# Altium PCB PCM2912_CODEC_PANEL.PcbDoc (part 2 of 3)
Units mil, origin at the board's own origin, x right, y up, seen from the top; angles counter-clockwise.
Board outline 3937.01 x 3937.01 mil, 2 copper layers (Top Layer, Bottom Layer); 208 components, 0 nets, 668 pads, 268 vias.
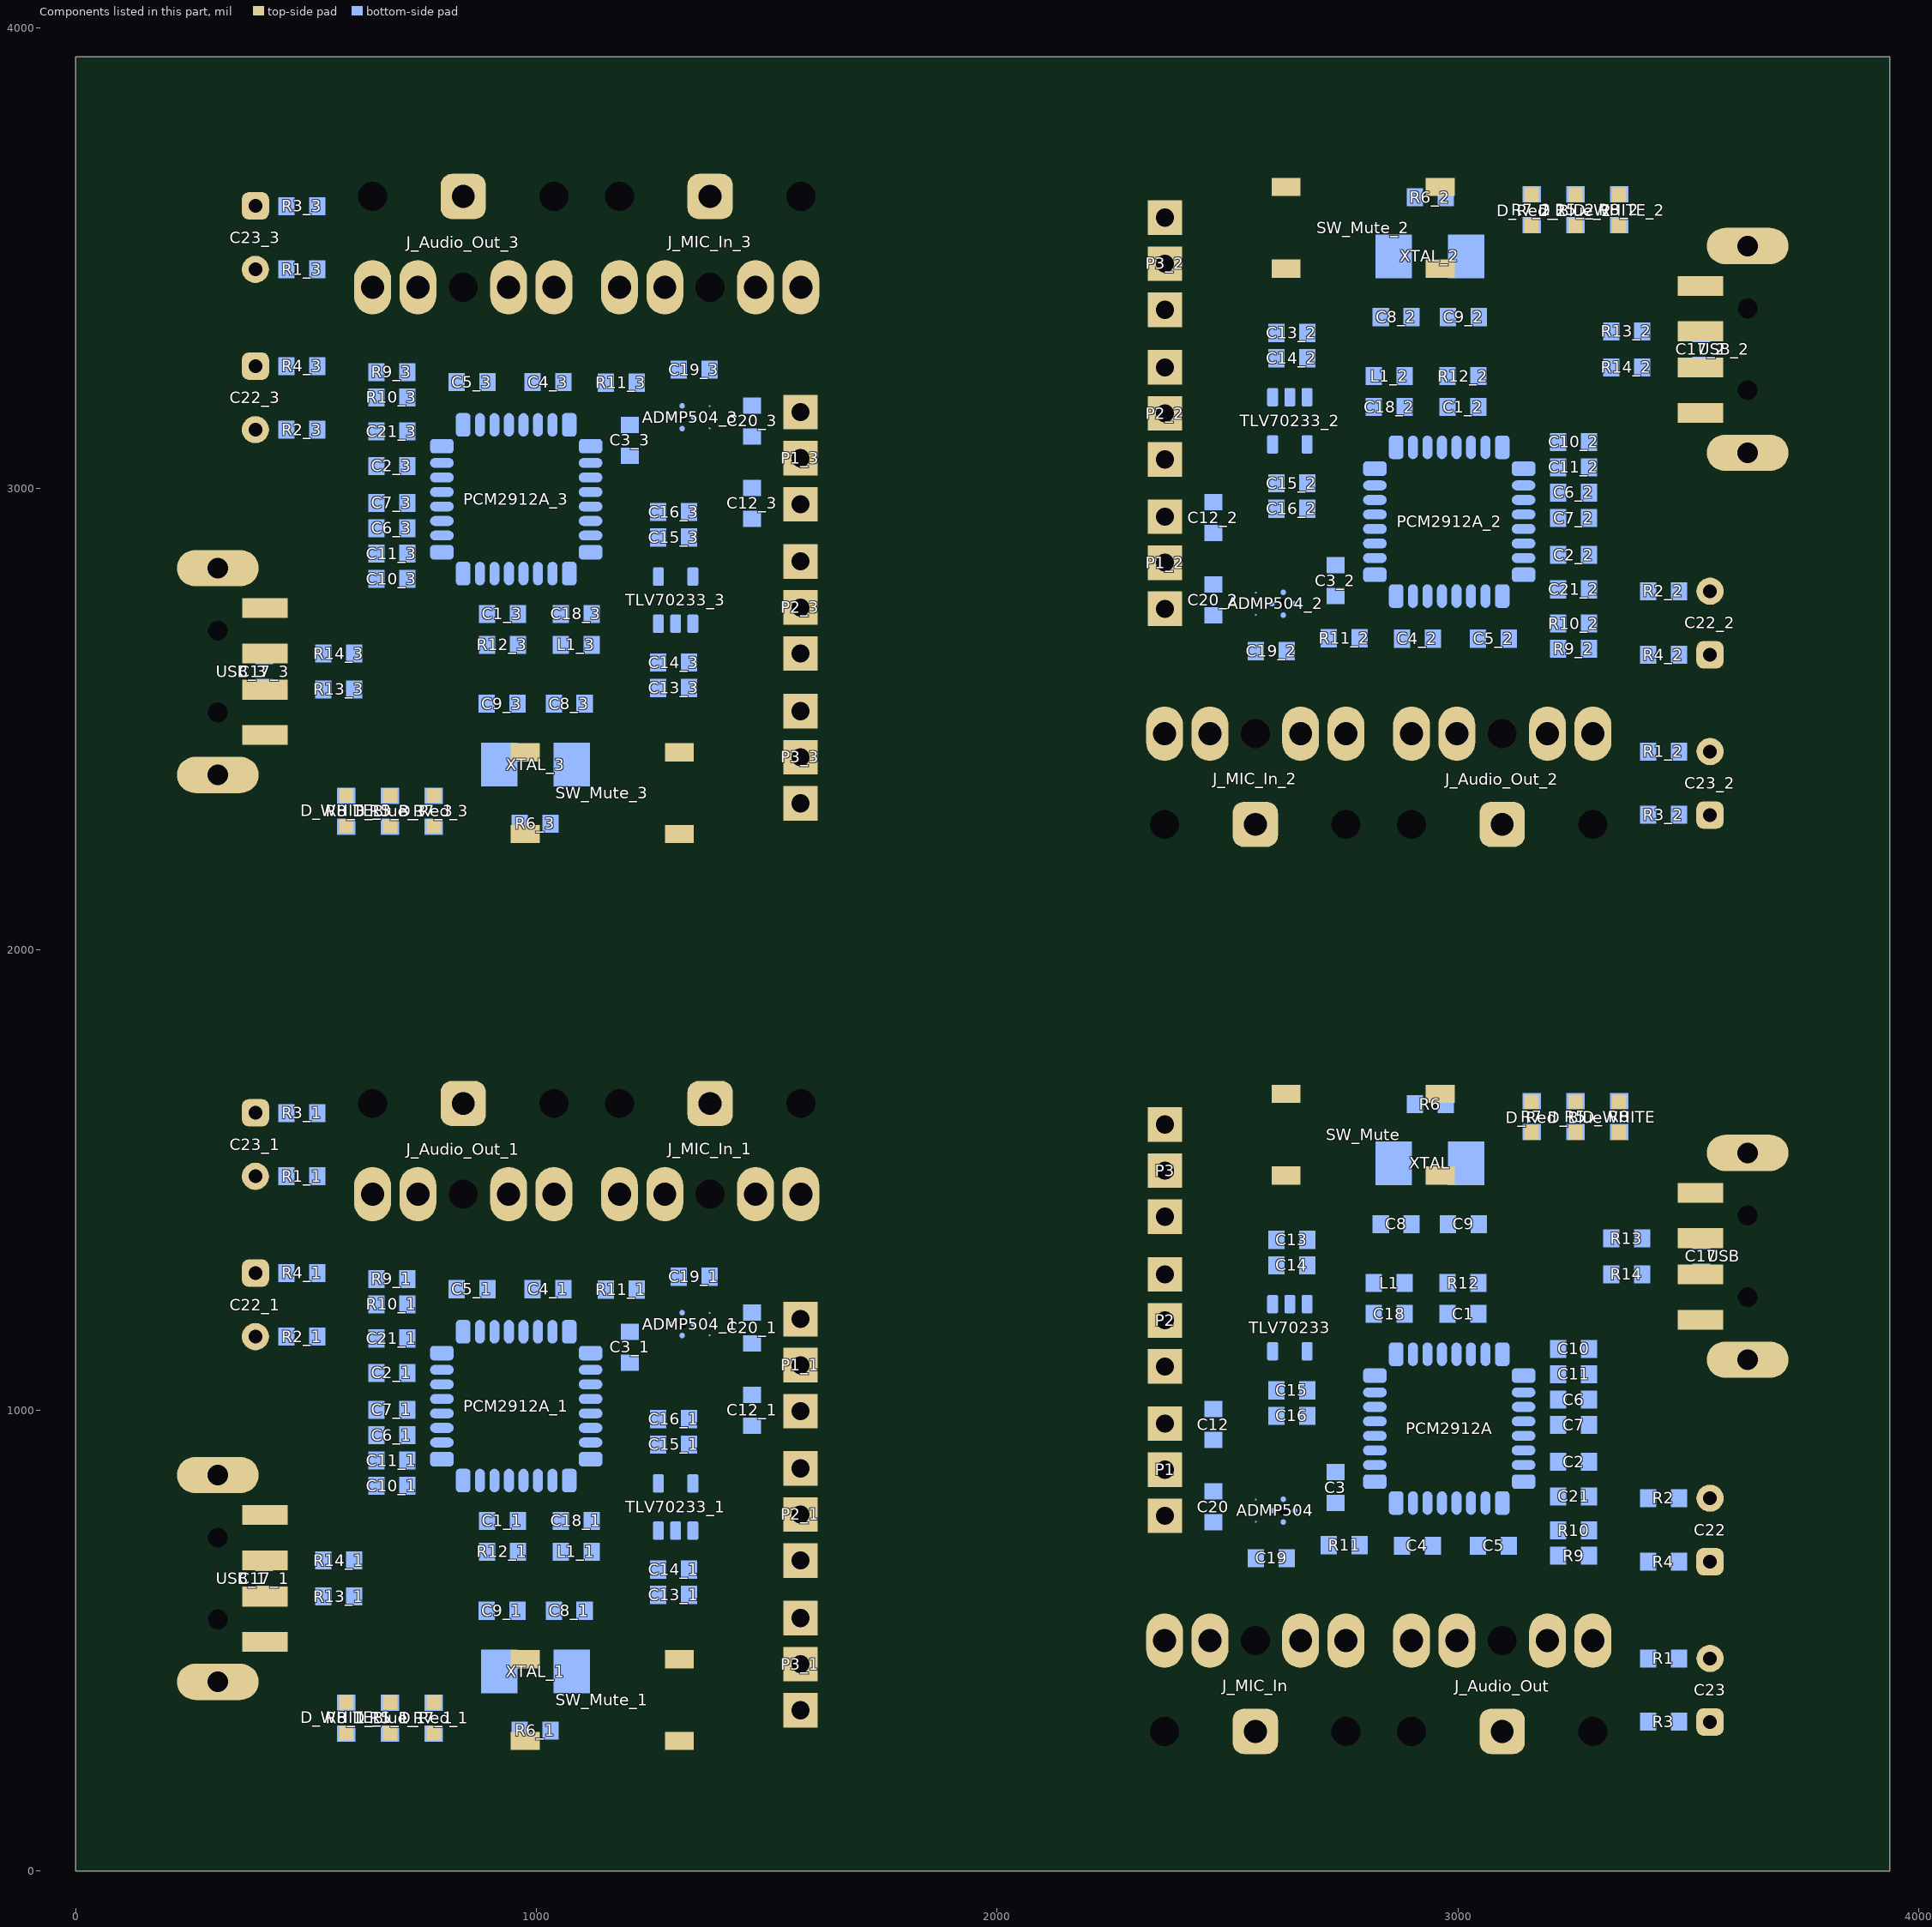
[diagram p2: the components of this part, seen from the top]

## Via types
v1: diameter 24, hole 12, Top Layer to Bottom Layer, 268 vias

## Nets (pads, with @x,y where several pads share a name; then routed paths per layer and width w, separated by ;. In a path a pad name is that pad's centre, name@x,y a point inside that pad or via, vN(x,y) a via of type N, cw(c..) or ccw(c..) an arc to the next point about the centre after c; other vN are vias at no path point) (continued)
copper on no net: | length 108171.7
  Top Layer w20: 410.51,595.28 v1(497.85,595.28) ; 410.51,674.02 v1(498.85,674.02) ; 410.51,2563.79 v1(497.85,2563.79) ; 410.51,2642.53 v1(498.85,2642.53) ; 586.85,299.19 v1(624.32,299.19) ; 586.85,426.65 586.85,366.12 681.85,366.12 776.85,366.12 ; 586.85,2267.69 v1(624.32,2267.69) ; 586.85,2395.16 586.85,2334.62 681.85,2334.62 776.85,2334.62 ; v1(639.85,595.65) 683.85,639.65 683.85,778.65 780.85,875.65 989.34,875.65 v1(1003.09,889.41) ; v1(639.85,673.65) 639.85,795.65 756.6,912.4 v1(971.6,912.4) ; v1(639.85,2564.16) 683.85,2608.16 683.85,2747.16 780.85,2844.16 989.34,2844.16 v1(1003.09,2857.91) ; v1(639.85,2642.16) 639.85,2764.16 756.6,2880.91 v1(971.6,2880.91) ; v1(652.39,1323.19) 748.92,1226.65 1004.85,1226.65 1046.85,1268.65 v1(1106.85,1268.65) ; v1(652.39,3291.69) 748.92,3195.16 1004.85,3195.16 1046.85,3237.16 v1(1106.85,3237.16) ; 681.85,299.19 v1(719.32,299.19) ; 681.85,2267.69 v1(719.32,2267.69) ; v1(722.85,475.65) 740.85,475.65 763.85,498.65 763.85,738.65 828.85,803.65 1061.68,803.65 v1(1117.27,859.24) ; v1(722.85,513.65) 722.85,757.65 804.85,839.65 1039.85,839.65 1074.11,873.91 v1(1074.11,929.91) ; v1(722.85,2444.16) 740.85,2444.16 763.85,2467.16 763.85,2707.16 828.85,2772.16 1061.68,2772.16 v1(1117.27,2827.74) ; v1(722.85,2482.16) 722.85,2726.16 804.85,2808.16 1039.85,2808.16 1074.11,2842.42 v1(1074.11,2898.42) ; v1(756.85,1284.65) 989.85,1284.65 1027.85,1322.65 1124.85,1322.65 1181.85,1265.65 v1(1405.85,1265.65) ; v1(756.85,3253.16) 989.85,3253.16 1027.85,3291.16 1124.85,3291.16 1181.85,3234.16 v1(1405.85,3234.16) ; 776.85,299.19 v1(811.85,299.19) ; 776.85,2267.69 v1(811.85,2267.69) ; v1(794.43,1173.24) 1036.43,1173.24 1078.85,1215.65 1396.85,1215.65 1514.85,1097.65 1572.85,1097.65 ; v1(794.43,3141.74) 1036.43,3141.74 1078.85,3184.16 1396.85,3184.16 1514.85,3066.16 1572.85,3066.16 ; v1(820.85,737.65) 820.85,595.65 v1(851.85,564.65) ; v1(820.85,2706.16) 820.85,2564.16 v1(851.85,2533.16) ; v1(849.85,762.65) 880.35,732.15 880.35,648.15 v1(1021.85,506.65) ; v1(849.85,2731.16) 880.35,2700.66 880.35,2616.66 v1(1021.85,2475.16) ; v1@1049.85,1114.65 1454.85,709.65 1454.85,516.65 1522.85,448.65 1572.85,448.65 ; v1@1049.85,3083.16 1454.85,2678.16 1454.85,2485.16 1522.85,2417.16 1572.85,2417.16 ; v1(1074.61,961.41) 1100.09,961.41 1379.85,681.65 1379.85,490.65 1348.43,459.24 1310.17,459.24 ; v1(1074.61,2929.91) 1100.09,2929.91 1379.85,2650.16 1379.85,2459.16 1348.43,2427.74 1310.17,2427.74 ; v1(1075.1,992.91) 1119.6,992.91 1417.85,694.65 1417.85,350.65 1349.27,282.07 1310.17,282.07 ; v1(1075.1,2961.41) 1119.6,2961.41 1417.85,2663.16 1417.85,2319.16 1349.27,2250.57 1310.17,2250.57 ; v1(1112.85,1173.65) 1120.85,1173.65 1520.85,773.65 1572.85,773.65 ; v1(1112.85,3142.16) 1120.85,3142.16 1520.85,2742.16 1572.85,2742.16 ; v1(1154.59,1066.39) 1490.85,730.13 1490.85,702.65 1519.85,673.65 1572.85,673.65 ; v1(1154.59,3034.9) 1490.85,2698.64 1490.85,2671.16 1519.85,2642.16 1572.85,2642.16 ; v1(1244.85,1169.65) 1244.85,1150.65 1521.85,873.65 1572.85,873.65 ; v1(1244.85,3138.16) 1244.85,3119.16 1521.85,2842.16 1572.85,2842.16 ; v1(1375.85,1127.65) 1428.85,1074.65 v1(1467.85,1074.65) ; v1(1375.85,3096.16) 1428.85,3043.16 v1(1467.85,3043.16) ; 2364.16,870.85 2422.16,870.85 2540.16,752.85 2858.16,752.85 2900.57,795.27 v1(3142.57,795.27) ; 2364.16,1094.85 2415.16,1094.85 2692.16,817.85 v1(2692.16,798.85) ; 2364.16,1194.85 2416.16,1194.85 2816.16,794.85 v1(2824.16,794.85) ; 2364.16,1294.85 2417.16,1294.85 2446.16,1265.85 2446.16,1238.37 v1(2782.42,902.11) ; 2364.16,1519.85 2414.16,1519.85 2482.16,1451.85 2482.16,1258.85 v1@2887.16,853.85 ; 2364.16,2839.35 2422.16,2839.35 2540.16,2721.35 2858.16,2721.35 2900.57,2763.77 v1(3142.57,2763.77) ; 2364.16,3063.35 2415.16,3063.35 2692.16,2786.35 v1(2692.16,2767.35) ; 2364.16,3163.35 2416.16,3163.35 2816.16,2763.35 v1(2824.16,2763.35) ; 2364.16,3263.35 2417.16,3263.35 2446.16,3234.35 2446.16,3206.87 v1(2782.42,2870.61) ; 2364.16,3488.35 2414.16,3488.35 2482.16,3420.35 2482.16,3227.35 v1@2887.16,2822.35 ; v1(2469.16,893.85) 2508.16,893.85 v1(2561.16,840.85) ; v1(2469.16,2862.35) 2508.16,2862.35 v1(2561.16,2809.35) ; v1(2531.16,702.85) 2755.16,702.85 2812.16,645.85 2909.16,645.85 2947.16,683.85 v1(3180.16,683.85) ; v1(2531.16,2671.35) 2755.16,2671.35 2812.16,2614.35 2909.16,2614.35 2947.16,2652.35 v1(3180.16,2652.35) ; 2626.83,1509.27 2588.57,1509.27 2557.16,1477.85 2557.16,1286.85 2836.91,1007.09 v1(2862.4,1007.09) ; 2626.83,1686.43 2587.74,1686.43 2519.16,1617.85 2519.16,1273.85 2817.41,975.6 v1(2861.91,975.6) ; 2626.83,3477.77 2588.57,3477.77 2557.16,3446.35 2557.16,3255.35 2836.91,2975.6 v1(2862.4,2975.6) ; 2626.83,3654.94 2587.74,3654.94 2519.16,3586.35 2519.16,3242.35 2817.41,2944.1 v1(2861.91,2944.1) ; v1(2819.74,1109.27) 2875.32,1164.85 3108.16,1164.85 3173.16,1229.85 3173.16,1469.85 3196.16,1492.85 v1(3214.16,1492.85) ; v1(2819.74,3077.77) 2875.32,3133.35 3108.16,3133.35 3173.16,3198.35 3173.16,3438.35 3196.16,3461.35 v1(3214.16,3461.35) ; v1(2830.16,699.85) 2890.16,699.85 2932.16,741.85 3188.09,741.85 v1(3284.62,645.32) ; v1(2830.16,2668.35) 2890.16,2668.35 2932.16,2710.35 3188.09,2710.35 v1(3284.62,2613.82) ; v1(2862.9,1038.59) 2862.9,1094.59 2897.16,1128.85 3132.16,1128.85 3214.16,1210.85 v1(3214.16,1454.85) ; v1(2862.9,3007.09) 2862.9,3063.09 2897.16,3097.35 3132.16,3097.35 3214.16,3179.35 v1(3214.16,3423.35) ; v1(2915.16,1461.85) 3056.66,1320.35 3056.66,1236.35 v1(3087.16,1205.85) ; v1(2915.16,3430.35) 3056.66,3288.85 3056.66,3204.85 v1(3087.16,3174.35) ; v1(2933.91,1079.09) 2947.67,1092.85 3156.16,1092.85 3253.16,1189.85 3253.16,1328.85 v1(3297.16,1372.85) ; v1(2933.91,3047.6) 2947.67,3061.35 3156.16,3061.35 3253.16,3158.35 3253.16,3297.35 v1(3297.16,3341.35) ; v1(2965.41,1056.1) 3180.41,1056.1 3297.16,1172.85 v1(3297.16,1294.85) ; v1(2965.41,3024.61) 3180.41,3024.61 3297.16,3141.35 v1(3297.16,3263.35) ; v1(3085.16,1403.85) 3116.16,1372.85 v1(3116.16,1230.85) ; v1(3085.16,3372.35) 3116.16,3341.35 v1(3116.16,3199.35) ; v1(3125.16,1669.32) 3160.16,1669.32 ; v1(3125.16,3637.82) 3160.16,3637.82 ; 3160.16,1602.39 3255.16,1602.39 3350.16,1602.39 3350.16,1541.85 ; 3160.16,3570.89 3255.16,3570.89 3350.16,3570.89 3350.16,3510.35 ; v1(3217.69,1669.32) 3255.16,1669.32 ; v1(3217.69,3637.82) 3255.16,3637.82 ; v1(3312.69,1669.32) 3350.16,1669.32 ; v1(3312.69,3637.82) 3350.16,3637.82 ; v1(3438.16,1294.48) 3526.5,1294.48 ; v1(3438.16,3262.98) 3526.5,3262.98 ; v1(3439.16,1373.22) 3526.5,1373.22 ; v1(3439.16,3341.72) 3526.5,3341.72
  Top Layer w40: 389.85,1159.65 547.85,1001.65 902.85,1001.65 v1@1002.85,1101.65 ; 389.85,1507.65 786.85,1110.65 v1(877.11,1110.65) ; 389.85,1645.45 461.65,1573.65 973.85,1573.65 1037.7,1509.8 1037.7,1468.8 ; 389.85,3128.16 547.85,2970.16 902.85,2970.16 v1@1002.85,3070.16 ; 389.85,3476.16 786.85,3079.16 v1(877.11,3079.16) ; 389.85,3613.95 461.65,3542.16 973.85,3542.16 1037.7,3478.31 1037.7,3437.31 ; 410.51,496.86 469.65,496.86 489.85,476.65 v1(489.85,426.65) 586.85,426.65 814.85,426.65 870.85,370.65 1168.1,370.65 1168.1,547.65 ; 410.51,772.45 v1(485.85,772.45) ; 410.51,2465.36 469.65,2465.36 489.85,2445.16 v1(489.85,2395.16) 586.85,2395.16 814.85,2395.16 870.85,2339.16 1168.1,2339.16 1168.1,2516.16 ; 410.51,2740.95 v1(485.85,2740.95) ; v1@1168.1,666.65 1168.1,547.65 ; v1@1168.1,2635.16 1168.1,2516.16 ; v1@1330.85,547.65 1168.1,547.65 ; v1@1330.85,2516.16 1168.1,2516.16 ; 1572.85,348.65 1622.85,348.65 1657.85,383.65 1657.85,637.65 1621.85,673.65 1572.85,673.65 ; 1572.85,2317.16 1622.85,2317.16 1657.85,2352.16 1657.85,2606.16 1621.85,2642.16 1572.85,2642.16 ; 2364.16,1294.85 2315.16,1294.85 2279.16,1330.85 2279.16,1584.85 2314.16,1619.85 2364.16,1619.85 ; 2364.16,3263.35 2315.16,3263.35 2279.16,3299.35 2279.16,3553.35 2314.16,3588.35 2364.16,3588.35 ; v1@2606.16,1420.85 2768.91,1420.85 ; v1@2606.16,3389.35 2768.91,3389.35 ; v1@2768.91,1301.85 2768.91,1420.85 ; v1@2768.91,3270.35 2768.91,3389.35 ; 2899.31,499.7 2899.31,458.7 2963.16,394.85 3475.36,394.85 3547.16,323.06 ; 2899.31,2468.2 2899.31,2427.2 2963.16,2363.35 3475.36,2363.35 3547.16,2291.56 ; v1@2934.16,866.85 3034.16,966.85 3389.16,966.85 3547.16,808.85 ; v1@2934.16,2835.35 3034.16,2935.35 3389.16,2935.35 3547.16,2777.35 ; v1(3059.9,857.85) 3150.16,857.85 3547.16,460.85 ; v1(3059.9,2826.35) 3150.16,2826.35 3547.16,2429.35 ; v1(3451.16,1196.06) 3526.5,1196.06 ; v1(3451.16,3164.56) 3526.5,3164.56 ; 3526.5,1471.65 3467.36,1471.65 3447.16,1491.85 v1(3447.16,1541.85) 3350.16,1541.85 3122.16,1541.85 3066.16,1597.85 2768.91,1597.85 2768.91,1420.85 ; 3526.5,3440.15 3467.36,3440.15 3447.16,3460.35 v1(3447.16,3510.35) 3350.16,3510.35 3122.16,3510.35 3066.16,3566.35 2768.91,3566.35 2768.91,3389.35
  Bottom Layer w12.01: 1308.39,1289.65 1316.01,1282.03 1316.01,1211.38 ; 1308.39,3258.16 1316.01,3250.54 1316.01,3179.88 ; 2621,757.13 2621,686.47 2628.62,678.85 ; 2621,2725.63 2621,2654.98 2628.62,2647.35
  Bottom Layer w20: 389.85,1159.65 457.39,1159.65 ; 389.85,1507.65 457.39,1507.65 ; 389.85,1645.45 390.65,1644.65 457.39,1644.65 ; 389.85,3128.16 457.39,3128.16 ; 389.85,3476.16 457.39,3476.16 ; 389.85,3613.95 390.65,3613.16 457.39,3613.16 ; 390.06,1297.65 457.39,1297.65 ; 390.06,3266.16 457.39,3266.16 ; 408.85,601.19 408.85,507.65 v1(489.85,426.65) v1(489.85,401.65) v1(489.85,376.65) ; 408.85,2569.69 408.85,2476.16 v1(489.85,2395.16) v1(489.85,2370.16) v1(489.85,2345.16) ; v1(485.85,797.65) v1(485.85,772.45) ; v1(485.85,2766.16) v1(485.85,2740.95) ; v1(497.85,595.28) 537.02,595.28 537.39,595.65 ; v1(497.85,2563.79) 537.02,2563.79 537.39,2564.16 ; v1(498.85,674.02) 537.02,674.02 537.39,673.65 ; v1(498.85,2642.53) 537.02,2642.53 537.39,2642.16 ; 524.32,1159.65 524.32,1297.65 593.32,1366.65 v1(840.85,1366.65) ; 524.32,1507.65 524.32,1644.65 524.32,1577.65 752.85,1577.65 840.85,1665.65 ; 524.32,3128.16 524.32,3266.16 593.32,3335.16 v1(840.85,3335.16) ; 524.32,3476.16 524.32,3613.16 524.32,3546.16 752.85,3546.16 840.85,3634.16 ; 586.85,298.19 587.85,299.19 v1(624.32,299.19) ; 586.85,365.12 586.85,418.65 460.85,544.65 460.85,647.65 440.39,668.12 408.85,668.12 408.85,696.65 484.65,772.45 v1(485.85,772.45) ; 586.85,2266.69 587.85,2267.69 v1(624.32,2267.69) ; 586.85,2333.62 586.85,2387.16 460.85,2513.16 460.85,2616.16 440.39,2636.62 408.85,2636.62 408.85,2665.16 484.65,2740.95 v1(485.85,2740.95) ; 604.32,595.65 v1(639.85,595.65) ; 604.32,673.65 v1(639.85,673.65) ; 604.32,2564.16 v1(639.85,2564.16) ; 604.32,2642.16 v1(639.85,2642.16) ; 652.39,1155.65 652.39,1080.65 652.39,1039.65 ; v1(652.39,1323.19) 652.39,1284.65 652.39,1229.65 652.39,1222.58 719.32,1155.65 ; 652.39,3124.16 652.39,3049.16 652.39,3008.16 ; v1(652.39,3291.69) 652.39,3253.16 652.39,3198.16 652.39,3191.09 719.32,3124.16 ; 681.85,298.19 682.85,299.19 v1(719.32,299.19) ; 681.85,365.12 681.85,401.65 722.85,442.65 v1(722.85,475.65) ; 681.85,2266.69 682.85,2267.69 v1(719.32,2267.69) ; 681.85,2333.62 681.85,2370.16 722.85,2411.16 v1(722.85,2444.16) ; 719.32,835.65 736.59,835.65 794.43,893.5 ; 719.32,890.65 728.85,890.65 768.11,929.91 794.43,929.91 ; 719.32,945.65 742.85,945.65 758.61,961.41 794.43,961.41 ; 719.32,1000.65 727.06,992.91 794.43,992.91 ; 719.32,1080.65 726.06,1087.39 794.43,1087.39 ; 719.31,1229.65 789.85,1229.65 840.69,1178.81 840.69,1170.07 ; 719.31,1284.65 v1(756.85,1284.65) ; 719.32,2804.16 736.59,2804.16 794.43,2862 ; 719.32,2859.16 728.85,2859.16 768.11,2898.42 794.43,2898.42 ; 719.32,2914.16 742.85,2914.16 758.61,2929.91 794.43,2929.91 ; 719.32,2969.16 727.06,2961.41 794.43,2961.41 ; 719.32,3049.16 726.06,3055.9 794.43,3055.9 ; 719.31,3198.16 789.85,3198.16 840.69,3147.31 840.69,3138.57 ; 719.31,3253.16 v1(756.85,3253.16) ; v1(722.85,513.65) 741.85,513.65 776.85,478.65 776.85,365.12 ; v1(722.85,2482.16) 741.85,2482.16 776.85,2447.16 776.85,2333.62 ; 776.85,298.19 777.85,299.19 v1(811.85,299.19) ; 776.85,2266.69 777.85,2267.69 v1(811.85,2267.69) ; 794.43,1123.81 v1(794.43,1173.24) ; 794.43,3092.31 v1(794.43,3141.74) ; v1(820.85,737.65) 820.85,814.65 840.69,834.5 840.69,847.24 ; v1(820.85,2706.16) 820.85,2783.16 840.69,2803 840.69,2815.74 ; 826.39,1262.65 867.39,1221.65 888.85,1221.65 908.61,1201.9 908.61,1170.07 ; 826.39,3231.16 867.39,3190.16 888.85,3190.16 908.61,3170.4 908.61,3138.57 ; 840.85,1468.8 v1(840.85,1366.65) ; 840.85,3437.31 v1(840.85,3335.16) ; v1(849.85,762.65) 849.85,791.65 877.11,818.91 877.11,847.24 ; v1(849.85,2731.16) 849.85,2760.16 877.11,2787.42 877.11,2815.74 ; v1(851.85,564.65) 891.39,564.65 891.39,523.12 919.11,495.39 919.11,432.65 919.11,377.39 963.39,333.12 963.39,304.65 ; v1(851.85,1110.65) v1(851.85,1085.65) v1(876.85,1085.65) 876.85,1110.65 v1(877.11,1110.65) 877.11,1170.07 ; v1(851.85,2533.16) 891.39,2533.16 891.39,2491.62 919.11,2463.9 919.11,2401.16 919.11,2345.9 963.39,2301.62 963.39,2273.16 ; v1(851.85,3079.16) v1(851.85,3054.16) v1(876.85,3054.16) 876.85,3079.16 v1(877.11,3079.16) 877.11,3138.57 ; 892.39,692.65 892.39,692.72 959.32,759.65 959.32,783.19 940.1,802.4 940.1,847.24 ; 892.39,2661.16 892.39,2661.23 959.32,2728.16 959.32,2751.69 940.1,2770.91 940.1,2815.74 ; 893.31,1262.65 940.1,1262.65 940.1,1170.07 940.1,1024.4 ; 893.31,3231.16 940.1,3231.16 940.1,3138.57 940.1,2992.91 ; 959.32,692.65 1001.85,735.19 1001.85,786.65 971.6,816.91 971.6,847.24 v1(971.6,912.4) ; 959.32,2661.16 1001.85,2703.69 1001.85,2755.16 971.6,2785.41 971.6,2815.74 v1(971.6,2880.91) ; 971.6,1170.07 971.6,1203.4 988.85,1220.65 1016.32,1220.65 1058.32,1262.65 ; 971.6,3138.57 971.6,3171.91 988.85,3189.16 1016.32,3189.16 1058.32,3231.16 ; v1(977.85,1076.65) 1002.85,1076.65 v1(1003.09,1076.9) v1(1003.09,1101.65) ; v1(977.85,1101.65) v1(1003.09,1101.65) ; v1(977.85,3045.16) 1002.85,3045.16 v1(1003.09,3045.4) v1(1003.09,3070.16) ; v1(977.85,3070.16) v1(1003.09,3070.16) ; 991.39,1262.65 942.35,1262.65 942.35,1292.15 867.85,1366.65 v1(840.85,1366.65) ; 991.39,3231.16 942.35,3231.16 942.35,3260.66 867.85,3335.16 v1(840.85,3335.16) ; 1003.09,847.24 v1(1003.09,889.41) ; 1003.09,1170.07 v1(1003.09,1101.65) ; 1003.09,2815.74 v1(1003.09,2857.91) ; 1003.09,3138.57 v1(1003.09,3070.16) ; v1(1021.85,506.65) 1063.33,506.65 1076.59,493.39 ; v1(1021.85,2475.16) 1063.33,2475.16 1076.59,2461.9 ; 1030.31,304.65 1030.31,330.12 1076.59,376.39 1076.59,432.65 1076.59,493.39 ; 1030.31,2273.16 1030.31,2298.62 1076.59,2344.9 1076.59,2401.16 1076.59,2461.9 ; 1034.59,847.24 1034.59,786.91 1052.39,769.12 1052.39,759.65 1052.39,692.65 ; 1034.59,1170.07 1034.59,1194.42 1057.82,1217.65 1090.85,1217.65 1112.85,1195.65 v1(1112.85,1173.65) ; 1034.59,2815.74 1034.59,2755.42 1052.39,2737.62 1052.39,2728.16 1052.39,2661.16 ; 1034.59,3138.57 1034.59,3162.93 1057.82,3186.16 1090.85,3186.16 1112.85,3164.16 v1(1112.85,3142.16) ; 1037.39,564.65 958.31,564.65 958.31,599.19 926.85,630.65 858.85,630.65 842.85,646.65 842.85,710.12 892.39,759.65 892.39,786.19 908.61,802.41 908.61,847.24 908.61,950.41 940.1,981.91 ; 1037.39,2533.16 958.31,2533.16 958.31,2567.69 926.85,2599.16 858.85,2599.16 842.85,2615.16 842.85,2678.62 892.39,2728.16 892.39,2754.69 908.61,2770.91 908.61,2815.74 908.61,2918.91 940.1,2950.41 ; v1(1046.85,1119.65) 1071.01,1143.81 1071.01,1170.07 ; v1(1046.85,3088.16) 1071.01,3112.31 1071.01,3138.57 ; v1(1074.11,929.91) 1117.27,929.91 ; v1(1074.11,2898.42) 1117.27,2898.42 ; v1(1074.61,961.41) 1117.27,961.41 ; v1(1074.61,2929.91) 1117.27,2929.91 ; v1(1075.1,992.91) 1117.27,992.91 ; v1(1075.1,2961.41) 1117.27,2961.41 ; 1104.32,564.65 1104.32,521.12 1076.59,493.39 ; 1104.32,2533.16 1104.32,2489.62 1076.59,2461.9 ; v1(1106.85,1268.65) 1143.39,1268.65 1150.39,1261.65 ; v1(1106.85,3237.16) 1143.39,3237.16 1150.39,3230.16 ; v1(1117.27,859.24) 1117.27,893.5 ; 1117.27,1024.4 1085.1,1024.4 1073.1,1036.4 ; 1117.27,1055.9 1144.09,1055.9 v1(1154.59,1066.39) 1154.59,1087.39 ; 1117.27,1087.39 1154.59,1087.39 ; v1(1117.27,2827.74) 1117.27,2862 ; 1117.27,2992.91 1085.1,2992.91 1073.1,3004.91 ; 1117.27,3024.4 1144.09,3024.4 v1(1154.59,3034.9) 1154.59,3055.9 ; 1117.27,3055.9 1154.59,3055.9 ; 1119.31,692.65 1120.31,691.65 v1(1164.85,691.65) v1(1164.85,666.65) ; 1119.31,2661.16 1120.31,2660.16 v1(1164.85,2660.16) v1(1164.85,2635.16) ; 1180,1468.8 1180,1366.5 1217.31,1329.19 1217.31,1261.65 ; 1180,3437.31 1180,3335.01 1217.31,3297.69 1217.31,3230.16 ; 1202.85,1103.19 1170.39,1103.19 1154.59,1087.39 ; 1202.85,3071.69 1170.39,3071.69 1154.59,3055.9 ; 1264.39,598.91 1264.39,653.98 ; 1264.39,980.65 1264.39,925.45 1264.45,925.39 1264.45,840.83 1264.45,814.25 1226.85,776.65 1226.85,708.65 ; 1264.39,2567.41 1264.39,2622.49 ; 1264.39,2949.16 1264.39,2893.96 1264.45,2893.89 1264.45,2809.34 1264.45,2782.76 1226.85,2745.16 1226.85,2677.16 ; 1264.45,738.47 1264.45,764.25 1278.85,778.65 1325.85,778.65 1339.25,765.25 1339.25,738.47 1339.25,699.06 1331.31,691.12 1331.31,653.98 1331.31,598.91 1331.31,548.12 v1@1330.85,547.65 ; 1264.45,2706.98 1264.45,2732.76 1278.85,2747.16 1325.85,2747.16 1339.25,2733.76 1339.25,2706.98 1339.25,2667.56 1331.31,2659.62 1331.31,2622.49 1331.31,2567.41 1331.31,2516.62 v1@1330.85,2516.16 ; 1301.85,738.47 1301.85,691.45 1264.39,653.98 ; 1301.85,2706.98 1301.85,2659.95 1264.39,2622.49 ; 1339.25,840.83 1339.25,876.25 1331.31,884.19 1331.31,925.45 1331.31,980.65 1424.85,1074.19 1424.85,1191.65 1405.83,1210.67 ; 1339.25,2809.34 1339.25,2844.76 1331.31,2852.69 1331.31,2893.96 1331.31,2949.16 1424.85,3042.69 1424.85,3160.16 1405.83,3179.17 ; 1375.32,1289.65 1375.85,1289.12 1375.85,1210.67 1405.83,1210.67 ; 1375.32,3258.16 1375.85,3257.62 1375.85,3179.17 1405.83,3179.17 ; v1(1375.85,1127.65) 1375.85,1162.64 ; v1(1375.85,3096.16) 1375.85,3131.14 ; 1376.85,1468.8 v1(1376.85,1392.65) 1308.39,1324.19 1308.39,1289.65 1258.85,1240.12 1258.85,1219.65 1244.85,1205.65 v1(1244.85,1169.65) 1203.31,1169.65 1202.85,1170.12 1172.31,1170.12 1126.01,1123.81 1117.27,1123.81 1095.01,1123.81 1073.1,1101.91 1073.1,1036.4 ; 1376.85,3437.31 v1(1376.85,3361.16) 1308.39,3292.69 1308.39,3258.16 1258.85,3208.62 1258.85,3188.16 1244.85,3174.16 v1(1244.85,3138.16) 1203.31,3138.16 1202.85,3138.62 1172.31,3138.62 1126.01,3092.31 1117.27,3092.31 1095.01,3092.31 1073.1,3070.41 1073.1,3004.91 ; v1@1405.83,1265.64 1405.83,1210.67 ; v1@1405.83,3234.14 1405.83,3179.17 ; 1467.85,966.19 1496.39,966.19 1527.85,997.65 1572.85,997.65 ; 1467.85,1033.12 v1(1467.85,1074.65) ; 1467.85,1145.19 1520.31,1197.65 1572.85,1197.65 ; 1467.85,1212.12 1467.85,1249.65 1573.7,1355.5 1573.7,1468.8 ; 1467.85,2934.69 1496.39,2934.69 1527.85,2966.16 1572.85,2966.16 ; 1467.85,3001.62 v1(1467.85,3043.16) ; 1467.85,3113.69 1520.31,3166.16 1572.85,3166.16 ; 1467.85,3180.62 1467.85,3218.16 1573.7,3324.01 1573.7,3437.31 ; 2363.31,499.7 2363.31,613 2469.16,718.85 2469.16,756.39 ; 2363.31,2468.2 2363.31,2581.5 2469.16,2687.35 2469.16,2724.89 ; 2364.16,770.85 2416.69,770.85 2469.16,823.31 ; 2364.16,970.85 2409.16,970.85 2440.62,1002.31 2469.16,1002.31 ; 2364.16,2739.35 2416.69,2739.35 2469.16,2791.82 ; 2364.16,2939.35 2409.16,2939.35 2440.62,2970.82 2469.16,2970.82 ; v1(2469.16,893.85) 2469.16,935.39 ; v1(2469.16,2862.35) 2469.16,2903.89 ; v1(2531.16,702.85) 2531.17,757.83 ; v1(2531.16,2671.35) 2531.17,2726.34 ; 2560.16,499.7 v1(2560.16,575.85) 2628.62,644.31 2628.62,678.85 2678.16,728.39 2678.16,748.85 2692.16,762.85 v1(2692.16,798.85) 2733.69,798.85 2734.16,798.39 2764.69,798.39 2811,844.69 2819.74,844.69 2842,844.69 2863.91,866.6 2863.91,932.1 ; 2560.16,2468.2 v1(2560.16,2544.35) 2628.62,2612.82 2628.62,2647.35 2678.16,2696.89 2678.16,2717.35 2692.16,2731.35 v1(2692.16,2767.35) 2733.69,2767.35 2734.16,2766.89 2764.69,2766.89 2811,2813.2 2819.74,2813.2 2842,2813.2 2863.91,2835.1 2863.91,2900.61 ; 2561.16,805.87 v1(2561.16,840.85) ; 2561.16,2774.37 v1(2561.16,2809.35) ; 2561.69,678.85 2561.16,679.39 2561.16,757.83 2531.17,757.83 ; 2561.69,2647.35 2561.16,2647.89 2561.16,2726.34 2531.17,2726.34 ; 2597.76,1127.67 2597.76,1092.25 2605.69,1084.31 2605.69,1043.05 2605.69,987.85 2512.16,894.31 2512.16,776.85 2531.17,757.83 ; 2597.76,3096.17 2597.76,3060.76 2605.69,3052.82 2605.69,3011.56 2605.69,2956.35 2512.16,2862.82 2512.16,2745.35 2531.17,2726.34 ; v1@2606.16,1420.85 2605.69,1420.39 2605.69,1369.6 2605.69,1314.52 2605.69,1277.39 2597.76,1269.45 2597.76,1230.03 2597.76,1203.25 2611.16,1189.85 2658.16,1189.85 2672.56,1204.25 2672.56,1230.03 ; v1@2606.16,3389.35 2605.69,3388.89 2605.69,3338.1 2605.69,3283.03 2605.69,3245.89 2597.76,3237.95 2597.76,3198.54 2597.76,3171.76 2611.16,3158.35 2658.16,3158.35 2672.56,3172.76 2672.56,3198.54 ; 2635.16,1230.03 2635.16,1277.06 2672.62,1314.52 ; 2635.16,3198.54 2635.16,3245.56 2672.62,3283.03 ; 2672.62,987.85 2672.62,1043.05 2672.56,1043.12 2672.56,1127.67 2672.56,1154.25 2710.16,1191.85 2710.16,1259.85 ; 2672.62,1369.6 2672.62,1314.52 ; 2672.62,2956.35 2672.62,3011.56 2672.56,3011.62 2672.56,3096.17 2672.56,3122.76 2710.16,3160.35 2710.16,3228.35 ; 2672.62,3338.1 2672.62,3283.03 ; 2719.69,706.85 2719.69,639.31 2757.01,602 2757.01,499.7 ; 2719.69,2675.35 2719.69,2607.82 2757.01,2570.5 2757.01,2468.2 ; 2734.16,865.32 2766.62,865.32 2782.42,881.11 ; 2734.16,2833.82 2766.62,2833.82 2782.42,2849.61 ; v1(2772.16,1301.85) v1(2772.16,1276.85) 2816.69,1276.85 2817.69,1275.85 ; v1(2772.16,3270.35) v1(2772.16,3245.35) 2816.69,3245.35 2817.69,3244.35 ; 2786.62,706.85 2793.62,699.85 v1(2830.16,699.85) ; 2786.62,2675.35 2793.62,2668.35 v1(2830.16,2668.35) ; 2819.74,881.11 2782.42,881.11 ; 2819.74,912.61 2792.91,912.61 v1(2782.42,902.11) 2782.42,881.11 ; 2819.74,944.1 2851.91,944.1 2863.91,932.1 ; 2819.74,975.6 v1(2861.91,975.6) ; 2819.74,1007.09 v1(2862.4,1007.09) ; 2819.74,1038.59 v1(2862.9,1038.59) ; 2819.74,1075.01 v1(2819.74,1109.27) ; 2819.74,2849.61 2782.42,2849.61 ; 2819.74,2881.11 2792.91,2881.11 v1(2782.42,2870.61) 2782.42,2849.61 ; 2819.74,2912.61 2851.91,2912.61 2863.91,2900.61 ; 2819.74,2944.1 v1(2861.91,2944.1) ; 2819.74,2975.6 v1(2862.4,2975.6) ; 2819.74,3007.09 v1(2862.9,3007.09) ; 2819.74,3043.51 v1(2819.74,3077.77) ; v1(2824.16,794.85) 2824.16,772.85 2846.16,750.85 2879.19,750.85 2902.42,774.08 2902.42,798.43 ; v1(2824.16,2763.35) 2824.16,2741.35 2846.16,2719.35 2879.19,2719.35 2902.42,2742.59 2902.42,2766.94 ; 2832.69,1403.85 2832.69,1447.39 2860.42,1475.11 ; 2832.69,3372.35 2832.69,3415.89 2860.42,3443.61 ; 2866,798.43 2866,824.69 v1(2890.16,848.85) ; 2866,2766.94 2866,2793.2 v1(2890.16,2817.35) ; 2878.69,705.85 2920.69,747.85 2948.16,747.85 2965.41,765.1 2965.41,798.43 ; 2878.69,2674.35 2920.69,2716.35 2948.16,2716.35 2965.41,2733.61 2965.41,2766.94 ; 2884.62,1275.85 2884.62,1208.85 2884.62,1199.39 2902.42,1181.59 2902.42,1121.27 ; 2884.62,3244.35 2884.62,3177.35 2884.62,3167.89 2902.42,3150.09 2902.42,3089.77 ; 2899.62,1403.85 2978.69,1403.85 2978.69,1369.31 3010.16,1337.85 3078.16,1337.85 3094.16,1321.85 3094.16,1258.39 3044.62,1208.85 3044.62,1182.31 3028.4,1166.09 3028.4,1121.27 3028.4,1018.09 2996.91,986.6 ; 2899.62,3372.35 2978.69,3372.35 2978.69,3337.82 3010.16,3306.35 3078.16,3306.35 3094.16,3290.35 3094.16,3226.89 3044.62,3177.35 3044.62,3150.82 3028.4,3134.6 3028.4,3089.77 3028.4,2986.6 2996.91,2955.1 ; 2906.69,1663.85 2906.69,1638.39 2860.42,1592.11 2860.42,1535.85 2860.42,1475.11 ; 2906.69,3632.35 2906.69,3606.89 2860.42,3560.61 2860.42,3504.35 2860.42,3443.61 ; v1(2915.16,1461.85) 2873.68,1461.85 2860.42,1475.11 ; v1(2915.16,3430.35) 2873.68,3430.35 2860.42,3443.61 ; 2933.91,798.43 v1(2933.91,866.85) ; v1(2933.91,1079.09) 2933.91,1121.27 ; 2933.91,2766.94 v1(2933.91,2835.35) ; v1(2933.91,3047.6) 2933.91,3089.77 ; 2945.62,705.85 2994.66,705.85 2994.66,676.35 3069.16,601.85 v1(3096.16,601.85) ; 2945.62,2674.35 2994.66,2674.35 2994.66,2644.85 3069.16,2570.35 v1(3096.16,2570.35) ; v1(2959.16,866.85) v1(2933.91,866.85) ; v1(2959.16,891.85) 2934.16,891.85 v1(2933.91,891.61) v1(2933.91,866.85) ; v1(2959.16,2835.35) v1(2933.91,2835.35) ; v1(2959.16,2860.35) 2934.16,2860.35 v1(2933.91,2860.11) v1(2933.91,2835.35) ; v1(2965.41,1056.1) 2965.41,1121.27 2965.41,1151.6 2935.16,1181.85 2935.16,1233.32 2977.69,1275.85 ; v1(2965.41,3024.61) 2965.41,3089.77 2965.41,3120.1 2935.16,3150.35 2935.16,3201.82 2977.69,3244.35 ; 2973.62,1663.85 2973.62,1635.39 3017.9,1591.11 3017.9,1535.85 3017.9,1473.11 3045.62,1445.39 3045.62,1403.85 v1(3085.16,1403.85) ; 2973.62,3632.35 2973.62,3603.89 3017.9,3559.61 3017.9,3504.35 3017.9,3441.61 3045.62,3413.89 3045.62,3372.35 v1(3085.16,3372.35) ; 2996.91,1121.27 2996.91,1166.1 2977.69,1185.32 2977.69,1208.85 3044.62,1275.78 3044.62,1275.85 ; 2996.91,3089.77 2996.91,3134.61 2977.69,3153.82 2977.69,3177.35 3044.62,3244.28 3044.62,3244.35 ; 3028.4,798.43 3028.4,766.61 3048.16,746.85 3069.62,746.85 3110.62,705.85 ; 3028.4,2766.94 3028.4,2735.11 3048.16,2715.35 3069.62,2715.35 3110.62,2674.35 ; 3043.69,705.85 2996.91,705.85 2996.91,798.43 2996.91,944.1 ; 3043.69,2674.35 2996.91,2674.35 2996.91,2766.94 2996.91,2912.61 ; 3059.9,798.43 v1(3059.9,857.85) 3060.16,857.85 v1(3060.16,882.85) v1(3085.16,882.85) v1(3085.16,857.85) ; 3059.9,1121.27 3059.9,1149.59 3087.16,1176.85 v1(3087.16,1205.85) ; 3059.9,2766.94 v1(3059.9,2826.35) 3060.16,2826.35 v1(3060.16,2851.35) v1(3085.16,2851.35) v1(3085.16,2826.35) ; 3059.9,3089.77 3059.9,3118.09 3087.16,3145.35 v1(3087.16,3174.35) ; 3096.16,302.85 3184.16,390.85 3412.69,390.85 3412.69,323.85 3412.69,460.85 ; 3096.16,499.7 v1(3096.16,601.85) ; 3096.16,2271.35 3184.16,2359.35 3412.69,2359.35 3412.69,2292.35 3412.69,2429.35 ; 3096.16,2468.2 v1(3096.16,2570.35) ; 3096.31,798.43 3096.31,789.69 3147.16,738.85 3217.69,738.85 ; 3096.31,1121.27 3096.31,1134.01 3116.16,1153.85 v1(3116.16,1230.85) ; 3096.31,2766.94 3096.31,2758.2 3147.16,2707.35 3217.69,2707.35 ; 3096.31,3089.77 3096.31,3102.51 3116.16,3122.35 v1(3116.16,3199.35) ; v1(3125.16,1669.32) 3159.16,1669.32 3160.16,1670.31 ; v1(3125.16,3637.82) 3159.16,3637.82 3160.16,3638.82 ; v1(3142.57,795.27) 3142.57,844.69 ; 3142.57,881.11 3210.95,881.11 3217.69,887.85 ; 3142.57,975.6 3209.94,975.6 3217.69,967.85 ; 3142.57,1007.09 3178.4,1007.09 3194.16,1022.85 3217.69,1022.85 ; 3142.57,1038.59 3168.9,1038.59 3208.16,1077.85 3217.69,1077.85 ; 3142.57,1075.01 3200.42,1132.85 3217.69,1132.85 ; v1(3142.57,2763.77) 3142.57,2813.2 ; 3142.57,2849.61 3210.95,2849.61 3217.69,2856.35 ; 3142.57,2944.1 3209.94,2944.1 3217.69,2936.35 ; 3142.57,2975.6 3178.4,2975.6 3194.16,2991.35 3217.69,2991.35 ; 3142.57,3007.09 3168.9,3007.09 3208.16,3046.35 3217.69,3046.35 ; 3142.57,3043.51 3200.42,3101.35 3217.69,3101.35 ; 3160.16,1603.39 3160.16,1489.85 3195.16,1454.85 v1(3214.16,1454.85) ; 3160.16,3571.89 3160.16,3458.35 3195.16,3423.35 v1(3214.16,3423.35) ; v1(3180.16,683.85) 3217.69,683.85 ; v1(3180.16,2652.35) 3217.69,2652.35 ; v1(3214.16,1492.85) 3214.16,1525.85 3255.16,1566.85 3255.16,1603.39 ; v1(3214.16,3461.35) 3214.16,3494.35 3255.16,3535.35 3255.16,3571.89 ; 3217.69,812.85 3284.62,745.92 3284.62,738.85 3284.62,683.85 v1(3284.62,645.32) ; v1(3217.69,1669.32) 3254.16,1669.32 3255.16,1670.31 ; 3217.69,2781.35 3284.62,2714.43 3284.62,2707.35 3284.62,2652.35 v1(3284.62,2613.82) ; v1(3217.69,3637.82) 3254.16,3637.82 3255.16,3638.82 ; 3284.62,812.85 3284.62,887.85 3284.62,928.85 ; 3284.62,2781.35 3284.62,2856.35 3284.62,2897.35 ; v1(3297.16,1294.85) 3332.69,1294.85 ; v1(3297.16,1372.85) 3332.69,1372.85 ; v1(3297.16,3263.35) 3332.69,3263.35 ; v1(3297.16,3341.35) 3332.69,3341.35 ; v1(3312.69,1669.32) 3349.16,1669.32 3350.16,1670.31 ; v1(3312.69,3637.82) 3349.16,3637.82 3350.16,3638.82 ; 3350.16,1603.39 3350.16,1549.85 3476.16,1423.85 3476.16,1320.85 3496.62,1300.39 3528.16,1300.39 3528.16,1271.85 3452.36,1196.06 v1(3451.16,1196.06) ; 3350.16,3571.89 3350.16,3518.35 3476.16,3392.35 3476.16,3289.35 3496.62,3268.89 3528.16,3268.89 3528.16,3240.35 3452.36,3164.56 v1(3451.16,3164.56) ; 3399.62,1294.85 3399.99,1294.48 v1(3438.16,1294.48) ; 3399.62,1372.85 3399.99,1373.22 v1(3439.16,1373.22) ; 3399.62,3263.35 3399.99,3262.98 v1(3438.16,3262.98) ; 3399.62,3341.35 3399.99,3341.72 v1(3439.16,3341.72) ; 3412.69,808.85 3412.69,670.85 3343.69,601.85 v1(3096.16,601.85) ; 3412.69,2777.35 3412.69,2639.35 3343.69,2570.35 v1(3096.16,2570.35) ; v1(3447.16,1591.85) v1(3447.16,1566.85) v1(3447.16,1541.85) 3528.16,1460.85 3528.16,1367.32 ; v1(3447.16,3560.35) v1(3447.16,3535.35) v1(3447.16,3510.35) 3528.16,3429.35 3528.16,3335.82 ; v1(3451.16,1170.85) v1(3451.16,1196.06) ; v1(3451.16,3139.35) v1(3451.16,3164.56) ; 3479.62,323.85 3546.36,323.85 3547.16,323.06 ; 3479.62,460.85 3547.16,460.85 ; 3479.62,670.85 3546.95,670.85 ; 3479.62,808.85 3547.16,808.85 ; 3479.62,2292.35 3546.36,2292.35 3547.16,2291.56 ; 3479.62,2429.35 3547.16,2429.35 ; 3479.62,2639.35 3546.95,2639.35 ; 3479.62,2777.35 3547.16,2777.35 ; v1(485.85,772.45) 623.65,772.45 652.39,801.19 652.39,835.65 652.39,890.65 652.39,945.65 652.39,1000.65 652.39,1039.65 ; v1(485.85,2740.95) 623.65,2740.95 652.39,2769.69 652.39,2804.16 652.39,2859.16 652.39,2914.16 652.39,2969.16 652.39,3008.16 ; 652.39,1039.65 746.85,1039.65 762.1,1024.4 794.43,1024.4 940.1,1024.4 ; 652.39,3008.16 746.85,3008.16 762.1,2992.91 794.43,2992.91 